# Altium PCB Brake Module PCB R5.PcbDoc (part 1 of 3)
Units mm, origin at the board's own origin, x right, y up, seen from the top; angles counter-clockwise.
Board outline 73.35 x 121.67 mm, 4 copper layers (Top Layer, GND, Power, Bottom Layer), stack 1.371 mm thick; 145 components, 92 nets, 490 pads, 190 vias.
Unrouted connection lines stored in the file: 20.
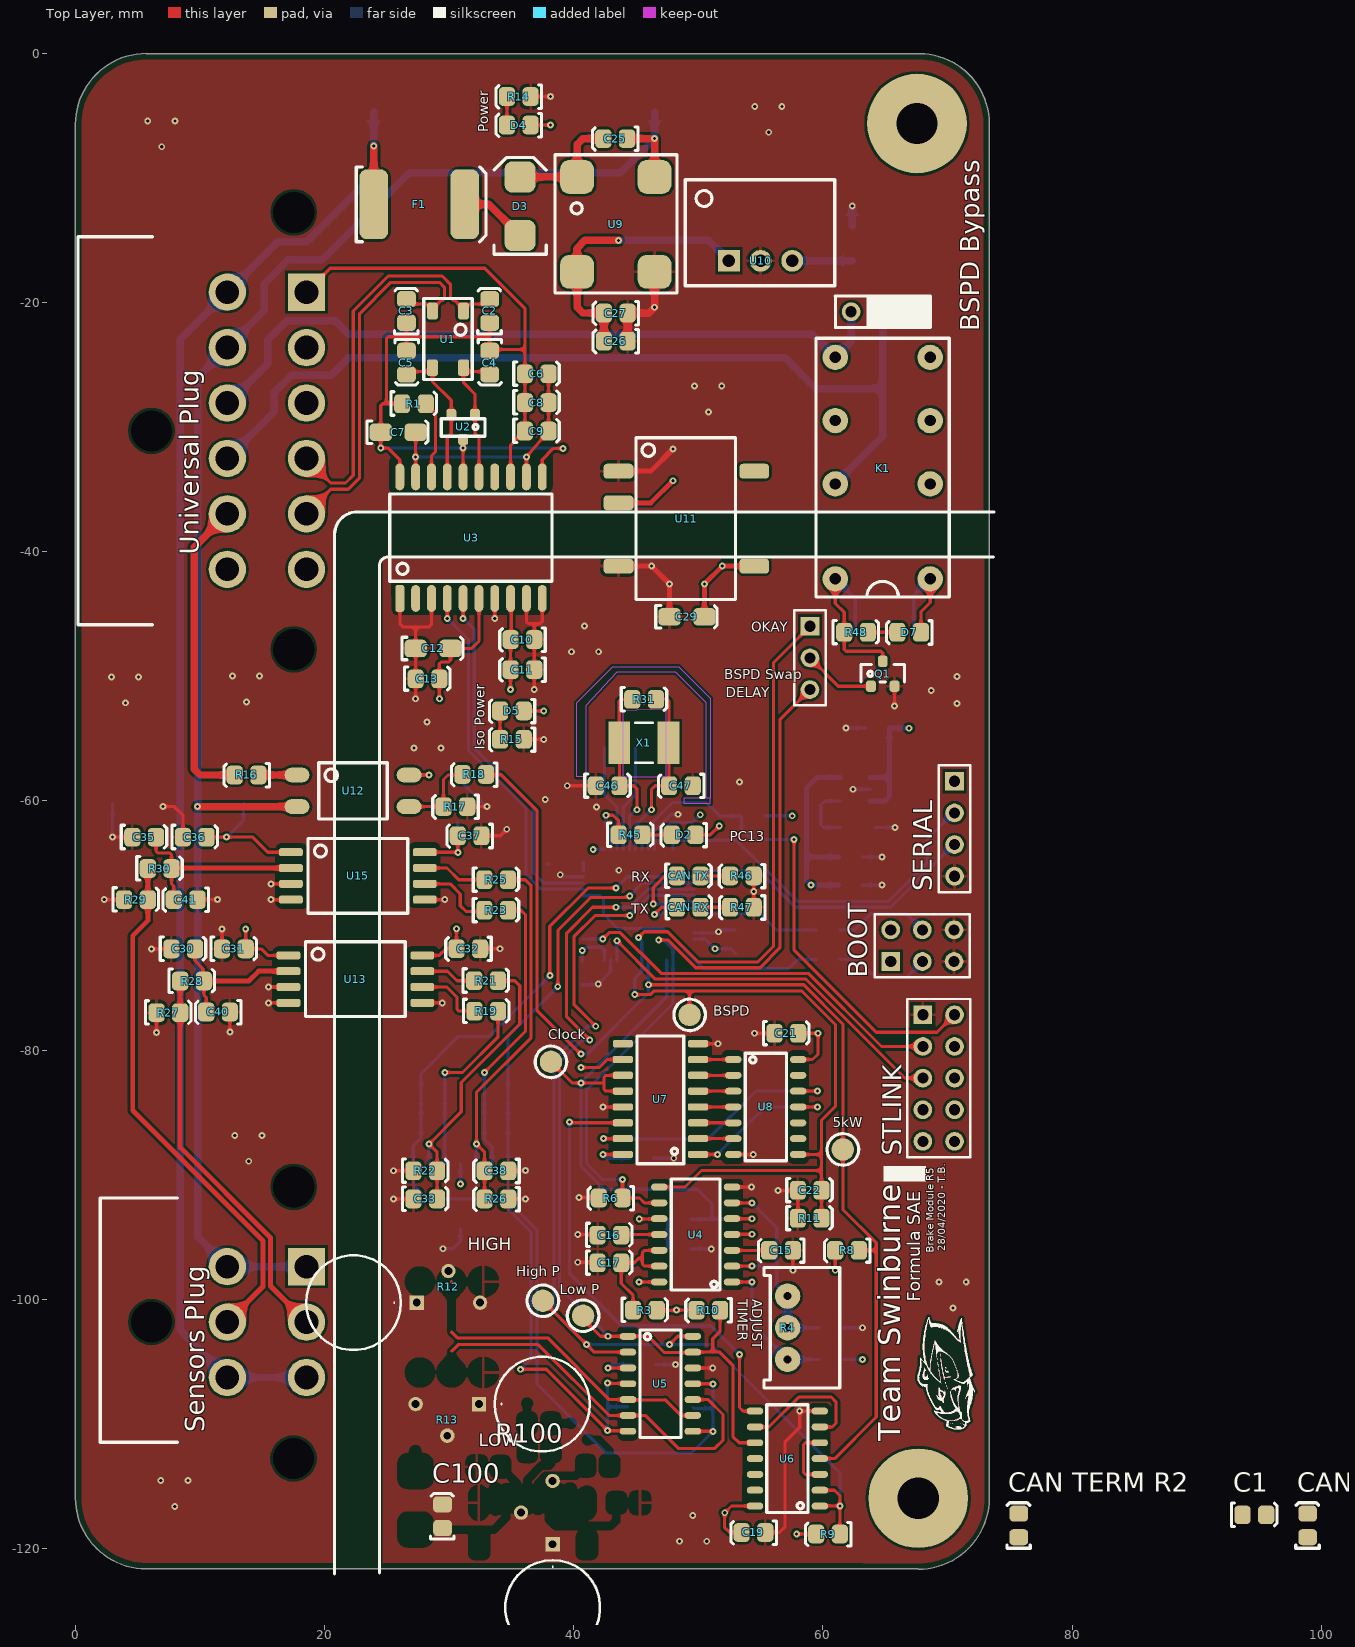
[diagram p0: Top Layer view]
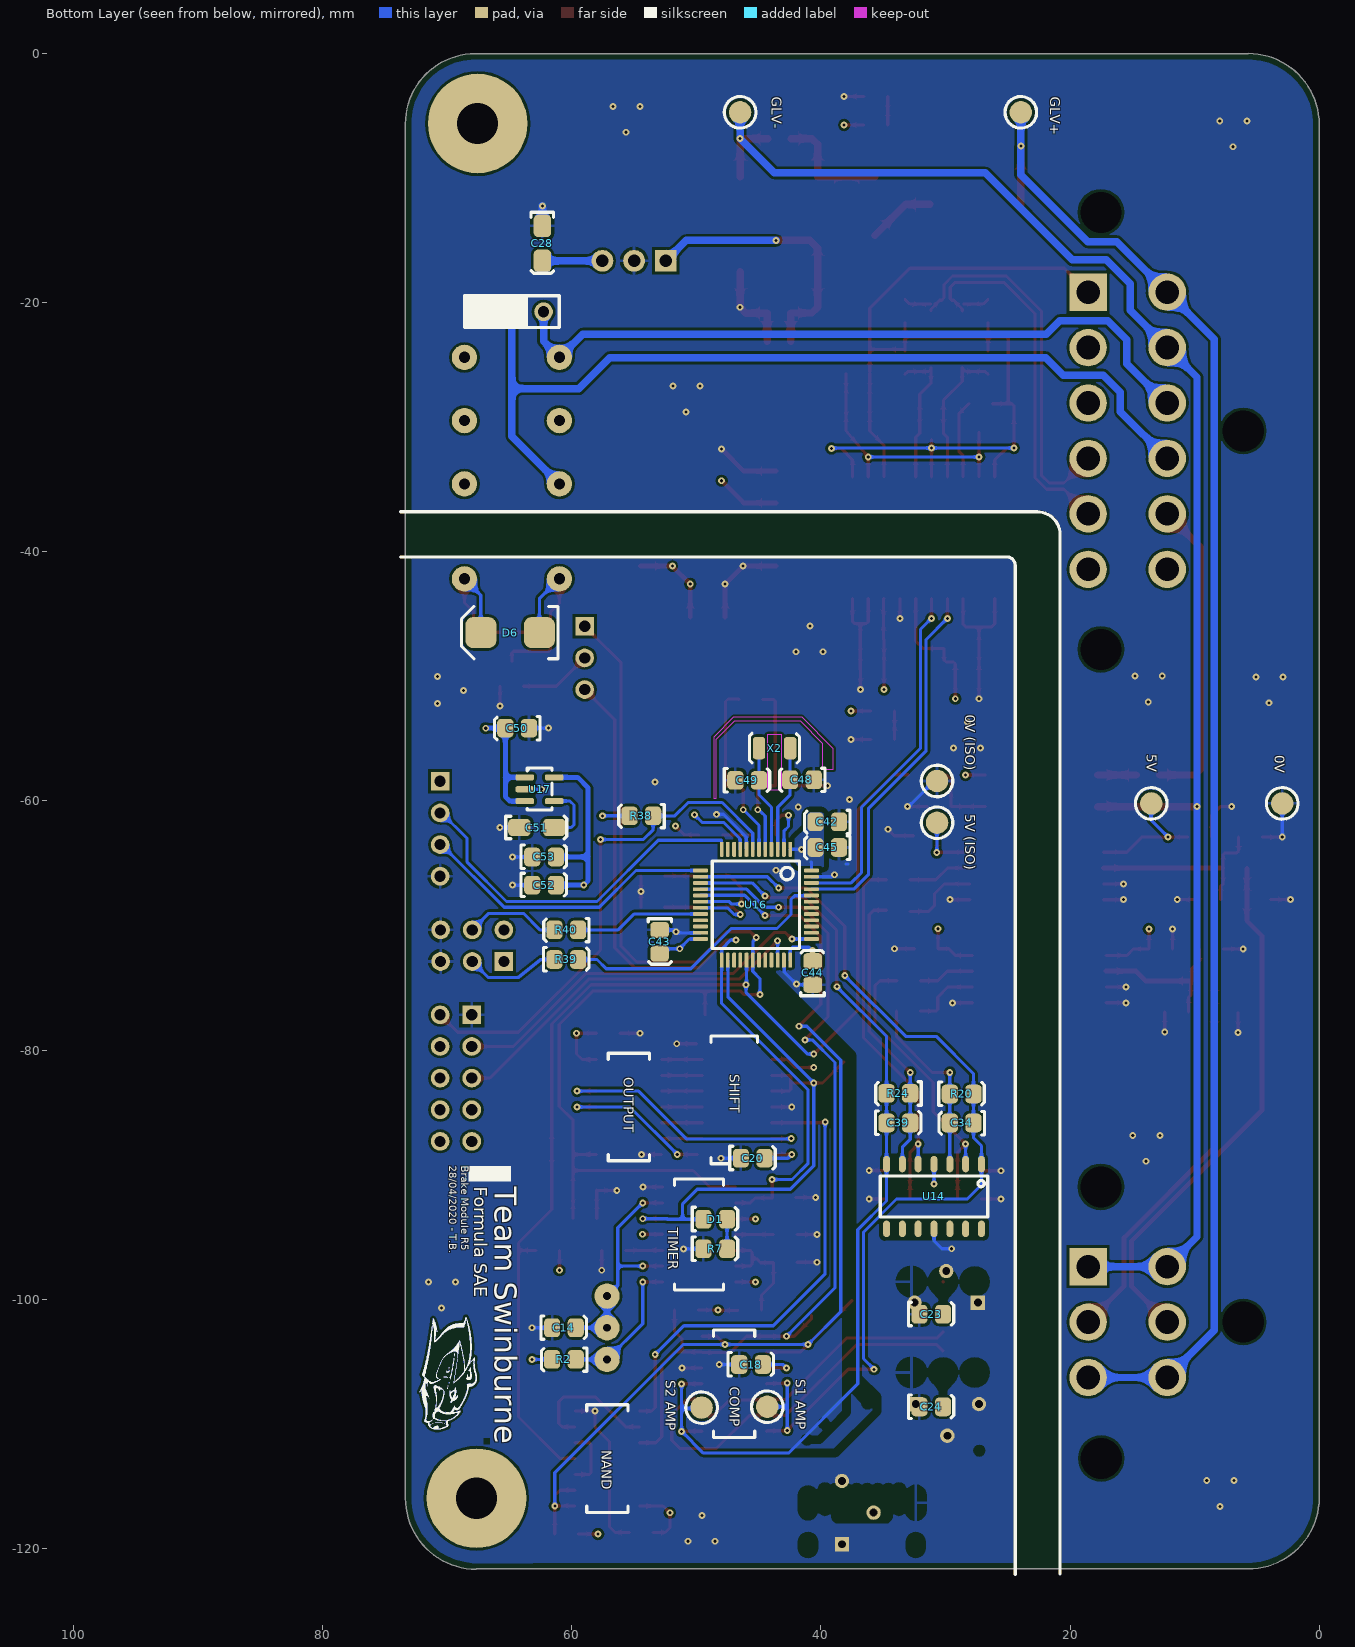
[diagram p1: Bottom Layer view, seen from below]
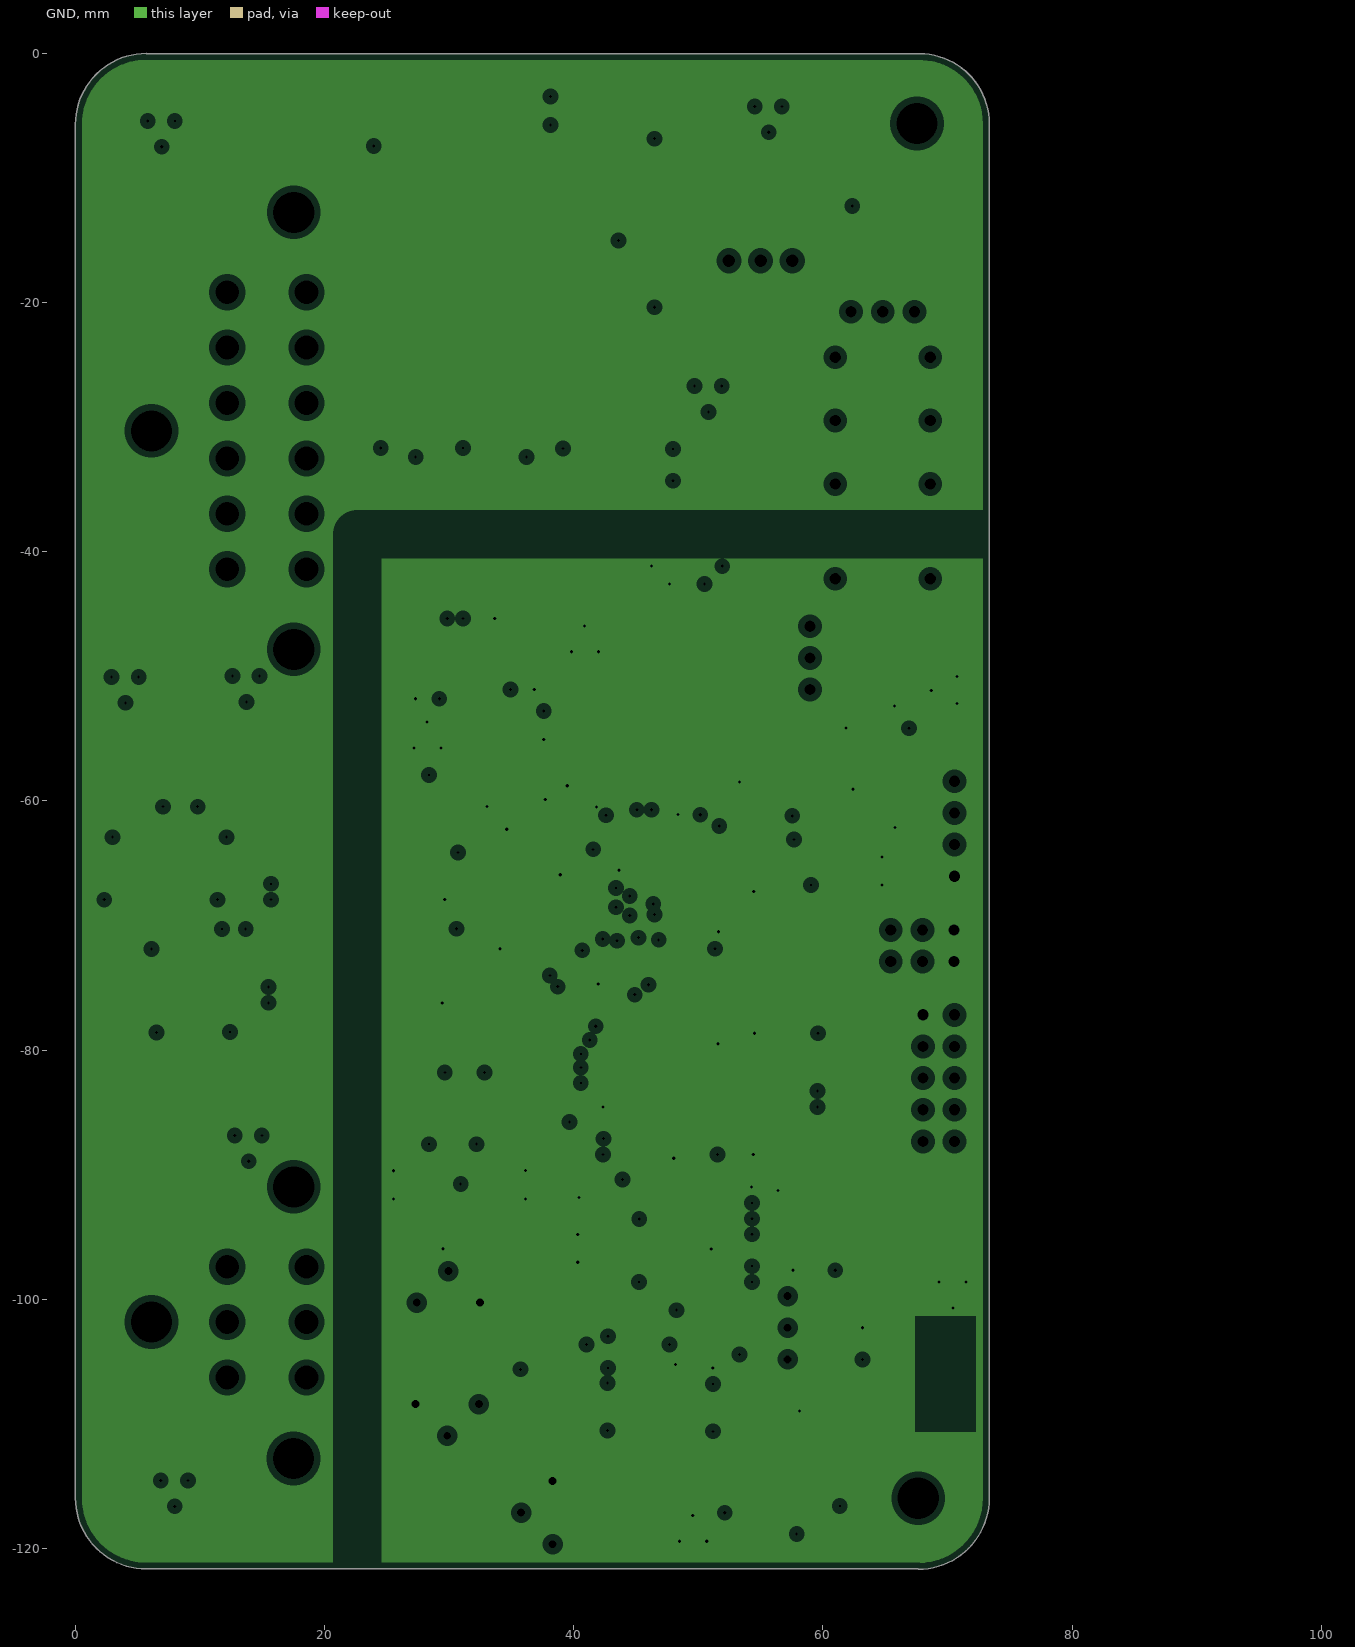
[diagram p2: GND, clearances drawn from the general rule]
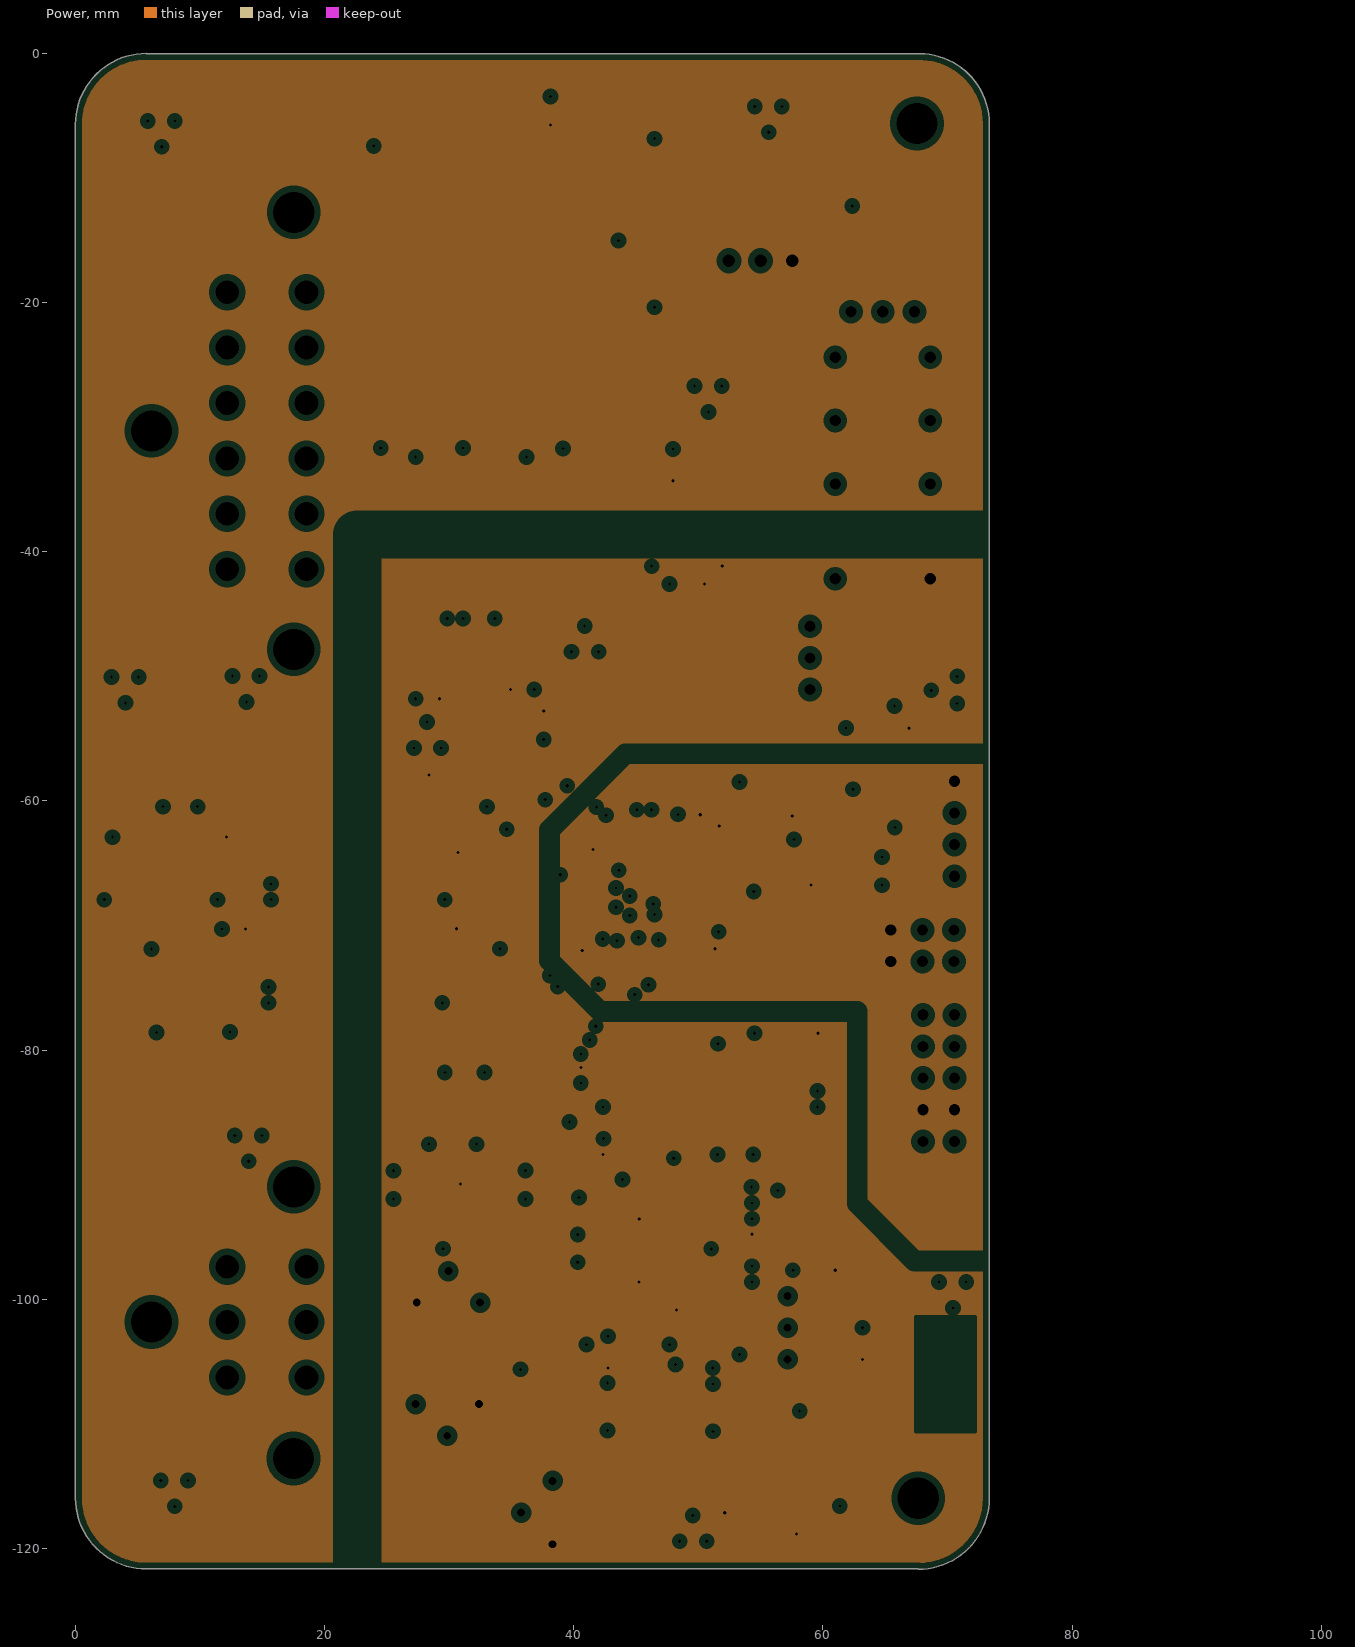
[diagram p3: Power, clearances drawn from the general rule]

## Layer stack, top to bottom
Top Solder: solder mask 0.025, Solder Resist, Dk 3.5
Top Layer: signal copper 0.035
Dielectric 2: prepreg 0.13, PP-006, Dk 4.1
Dielectric 4: prepreg 0.13, PP-006, Dk 4.1
GND: plane copper 0.035, net 0V (ISO)
Dielectric 1: dielectric 0.711, FR-4, Dk 4.8
Power: plane copper 0.035, net (Multiple Nets)
Dielectric 5: prepreg 0.13, PP-006, Dk 4.1
Dielectric 3: prepreg 0.13, PP-006, Dk 4.1
Bottom Layer: signal copper 0.035
Bottom Solder: solder mask 0.025, Solder Resist, Dk 3.5

## Board outline
0.004,-115.954 0.004,-5.696 0,-5.7 cw(c5.7,-5.7) 5.7,0 5.693,-0.007 67.732,-0.007 67.75,-0.025 cw(c67.75,-5.626) 73.351,-5.626 73.35,-5.625 73.35,-115.975 cw(c67.65,-115.975) 67.65,-121.675 67.65,-121.648 5.7,-121.648 5.7,-121.65 cw(c5.7,-115.95)

## Design rules (kind name [scope] priority, off if disabled: settings)
Clearance [All] p1: gap=0.2 ignorepadtopadclearanceinfootprint=FALSE except(0: Arc-Hole Track-Hole SMDPad-Hole THPad-Hole Via-Hole Fill-Hole Poly-Hole Region-Hole Text-Hole; 0.1: Arc-THPad Track-THPad SMDPad-THPad THPad-THPad; 0.203: Arc-Arc Arc-Track Track-Track; 0.254: Arc-Via Arc-Text Track-Via Track-Text SMDPad-Via SMDPad-Text THPad-Via THPad-Text Via-Via Via-Text Fill-Text Poly-Text Region-Text Text-Text; 0.4: Poly-Poly)
DiffPairsRouting [All] p1: maxlimit=0.254 minlimit=0.254 mostfreqgap=0.254 toplayer_minwidth=0.254 toplayer_maxwidth=0.381 toplayer_prefwidth=0.381 bottomlayer_minwidth=0.254 bottomlayer_maxwidth=0.381 bottomlayer_prefwidth=0.381 maxuncoupledlength=12.7
Height [All] p1: minheight=0 maxheight=50 prefheight=12.7
HoleSize [All] p1: absolutevalues=TRUE maxlimit=3.4 minlimit=0.025 maxpercent=80.000 minpercent=20.000
MinimumSolderMaskSliver [All] p1: minsoldermaskwidth=0.1
PlaneClearance [All] p1: clearance=0.508
PlaneConnect [All] p1: planeconnectstyle=Relief reliefexpansion=0.508 reliefentries=4 reliefconductorwidth=0.254 reliefairgap=0.254
PolygonConnect [All] p1: thpad.connectstyle=Relief thpad.reliefconductorwidth=0.254 thpad.reliefentries=4 thpad.polygonreliefangle="90 Angle" thpad.airgapwidth=0.254 smdpad.connectstyle=Relief smdpad.reliefconductorwidth=0.254 smdpad.reliefentries=4 smdpad.polygonreliefangle="90 Angle" smdpad.airgapwidth=0.254 via.connectstyle=Direct via.reliefconductorwidth=0.254 via.reliefentries=4 via.polygonreliefangle="90 Angle" via.airgapwidth=0.254
RoomDefinition "Top Level" [InComponentClass('Top Level')] p1: confinementstyle=ConfineIn formatcopy=TRUE lockcomponents=FALSE outline -25.65,-131.325 25.15,-131.325 25.15,-105.925 -25.65,-105.925
RoutingVias [All] p1: holewidth=0.25 width=0.55 viastyle="Through Hole" minholewidth=0.25 minwidth=0.55 maxholewidth=0.25 maxwidth=0.55
SilkToSolderMaskClearance [IsPad] p1: minsilkscreentomaskgap=0.2 clearancetoexposedcopper=TRUE
SolderMaskExpansion [All] p1: expansion=0.102 istentingtop=FALSE
Width [All] p1: maxlimit=1.524 minlimit=0.254 preferedwidth=0.254
23 further rules are at their usual default settings.

## Classes and differential pairs
differential pair class CANBUS: CANH CANL
component class "U_Safety Loops": "BSPD Bypass" "BSPD Swap" D6 D7 K1 Q1 R48
component class "U_Power Supply": 0V "0V (ISO)" 5V "5V (ISO)" C25 C26 C27 C28 C29 D3 D4 D5 F1 GLV+ GLV- R14 R15 U9 U10 U11
component class U_Microcontroller: BOOT C42 C43 C44 C45 C46 C47 C48 C49 C50 C51 C52 C53 "CAN RX" "CAN TX" D2 R31 R38 R39 R40 R45 R46 R47 SERIAL STLINK U16 U17 X1 X2
component class "Input Filter": C40 C41 R27 R28 R29 R30
component class U_CAN: C1 C2 C3 C4 C5 C6 C7 C8 C9 C10 C11 C12 C13 "CAN RX" "CAN TERM R1" "CAN TERM R2" "CAN TX" R1 U1 U2 U3
component class U_BSPD: 5kW BSPD C14 C15 C16 C17 C18 C19 C20 C21 C22 C23 C24 C100 Clock D1 "High P" "Low P" R2 R3 R4 R6 R7 R8 R9 R10 R11 R12 R13 R100 U4 U5 U6 U7 U8
component class "Top Level": "Sensors Plug" "Universal Plug"
differential pair CANBUS: +CANH_P -CANL_N

## Components (designator, comment, footprint, x,y, rotation, side; value= is the part's Value field where it differs from the comment)
0V "0mm" "SMD Test Point" 2.966,-60.2 r180 bottom
"0V (ISO)" "0mm" "SMD Test Point" 30.675,-58.4 r90 bottom
5kW "0mm" "SMD Test Point" 61.6,-87.975 r0 top
5V "0mm" "SMD Test Point" 13.478,-60.2 r180 bottom
"5V (ISO)" "0mm" "SMD Test Point" 30.675,-61.75 r90 bottom
BOOT "2.54mm" "TH 2.54mm Header 2x3" 65.445,-72.89 r0 top
BSPD "0mm" "SMD Test Point" 49.3,-77.175 r90 top
"BSPD Bypass" "2.54mm" "TH 2.54mm Header 1x3" 67.342,-20.733 r180 top
"BSPD Swap" "2.54mm" "TH 2.54mm Header 1x3" 58.96,-45.981 r270 top
C1 "22pF" 0805 94.644,-117.279 r0 top
C2 "100pF" 0805 33.227,-20.659 r90 top
C3 "100pF" 0805 26.547,-20.659 r90 top
C4 "100pF" 0805 33.279,-24.825 r270 top
C5 "100pF" 0805 26.599,-24.825 r270 top
C6 "100nF" 0805 37.037,-25.689 r0 top
C7 "10nF" 1206 27.109,-30.402 r0 top
C8 "10uF" 0805 37.037,-27.998 r0 top
C9 "100nF" 0805 37.037,-30.284 r0 top
C10 "10uF" 0805 35.867,-47.073 r180 top
C11 "100nF" 0805 35.867,-49.486 r180 top
C12 "10nF" 1206 29.909,-47.759 r0 top
C13 "100nF" 0805 28.271,-50.172 r0 top
C14 "10uF" 0805 60.613,-102.263 r180 bottom
C15 "10pF" 0805 56.625,-96.101 r180 top
C16 "100pF" 0805 42.875,-94.825 r0 top
C17 "10uF" 0805 42.875,-97.05 r0 top
C18 "100nF" 0805 45.595,-105.213 r180 bottom
C19 "100nF" 0805 54.413,-118.747 r180 top
C20 "100nF" 0805 45.46,-88.652 r180 bottom
C21 "100nF" 0805 57.075,-78.625 r0 top
C22 "100nF" 0805 58.95,-91.225 r0 top
C23 "100nF" 0805 31.13,-101.175 r180 bottom
C24 "100nF" 0805 31.13,-108.617 r180 bottom
C25 "10uF" 0805 43.311,-6.865 r180 top
C26 "10uF" 0805 43.359,-23.121 r180 top
C27 "10uF" 0805 43.359,-20.861 r180 top
C28 "22uF" 1206 62.353,-16.444 r270 bottom
C29 "22uF" 1206 50.286,-45.219 r0 top
C30 "100nF" 0805 8.664,-71.853 r0 top
C31 "100nF" 0805 12.728,-71.853 r0 top
C32 "100nF" 0805 31.525,-71.889 r180 top
C33 "100pF" 0805 28.092,-91.924 r0 top
C34 "100pF" 0805 28.712,-85.875 r0 bottom
C35 "100nF" 0805 5.528,-62.883 r0 top
C36 "100nF" 0805 9.592,-62.883 r0 top
C37 "100nF" 0805 31.625,-62.825 r180 top
C38 "100pF" 0805 33.778,-89.716 r180 top
C39 "100pF" 0805 33.768,-85.823 r180 bottom
C40 "100nF" 0805 11.434,-76.969 r180 top
C41 "100nF" 0805 8.834,-67.951 r180 top
C42 "1uF" 0805 39.501,-61.704 r0 bottom
C43 "100nF" 0805 52.913,-71.313 r270 bottom
C44 "100nF" 0805 40.68,-73.795 r90 bottom
C45 "100nF" 0805 39.504,-63.761 r0 bottom
C46 "22pF" 0805 42.729,-58.756 r0 top
C47 "22pF" 0805 48.594,-58.808 r180 top
C48 "22pF" 0805 41.529,-58.325 r0 bottom
C49 "22pF" 0805 45.905,-58.325 r180 bottom
C50 "1uF" 0805 64.393,-54.185 r0 bottom
C51 "22uF" 1206 61.599,-62.135 r180 bottom
C52 "100nF" 0805 62.209,-66.733 r180 bottom
C53 "1uF" 0805 62.209,-64.472 r180 bottom
C100 "100nF" 0805 29.442,-117.404 r90 top
"CAN RX" "Blue" "0805 LED" 49.245,-68.511 r0 top
"CAN TERM R1" "56R" 0805 98.886,-118.142 r90 top
"CAN TERM R2" "56R" 0805 75.696,-118.142 r90 top
"CAN TX" "Blue" "0805 LED" 49.239,-65.994 r0 top
Clock "0mm" "SMD Test Point" 38.171,-80.946 r90 top
D1 "Yellow" "0805 LED" 48.47,-93.55 r180 bottom
D2 "Red" "0805 LED" 48.809,-62.749 r180 top
D3 "SD560BTR" "SMB Diode" 35.691,-14.363 r90 top
D4 "Red" "0805 LED" 35.572,-5.771 r180 top
D5 "Red" "0805 LED" 35.025,-52.802 r180 top
D6 "SD560BTR" "SMB Diode" 62.846,-46.489 r0 bottom